# Altium PCB GameBoard_V1I1_Phase1.PcbDoc (part 16 of 18)
Units mm, origin at the board's own origin, x right, y up, seen from the top; angles counter-clockwise.
Board outline 182 x 70.2 mm, 12 copper layers (L1, L2, L3, L4, L5 (PWR), L6 (PWR), L7 (PWR), L8 (PWR), L9, L10, L11, L12), stack 2.079 mm thick; 1542 components, 1068 nets, 5447 pads, 3805 vias.
Unrouted connection lines stored in the file: 2.
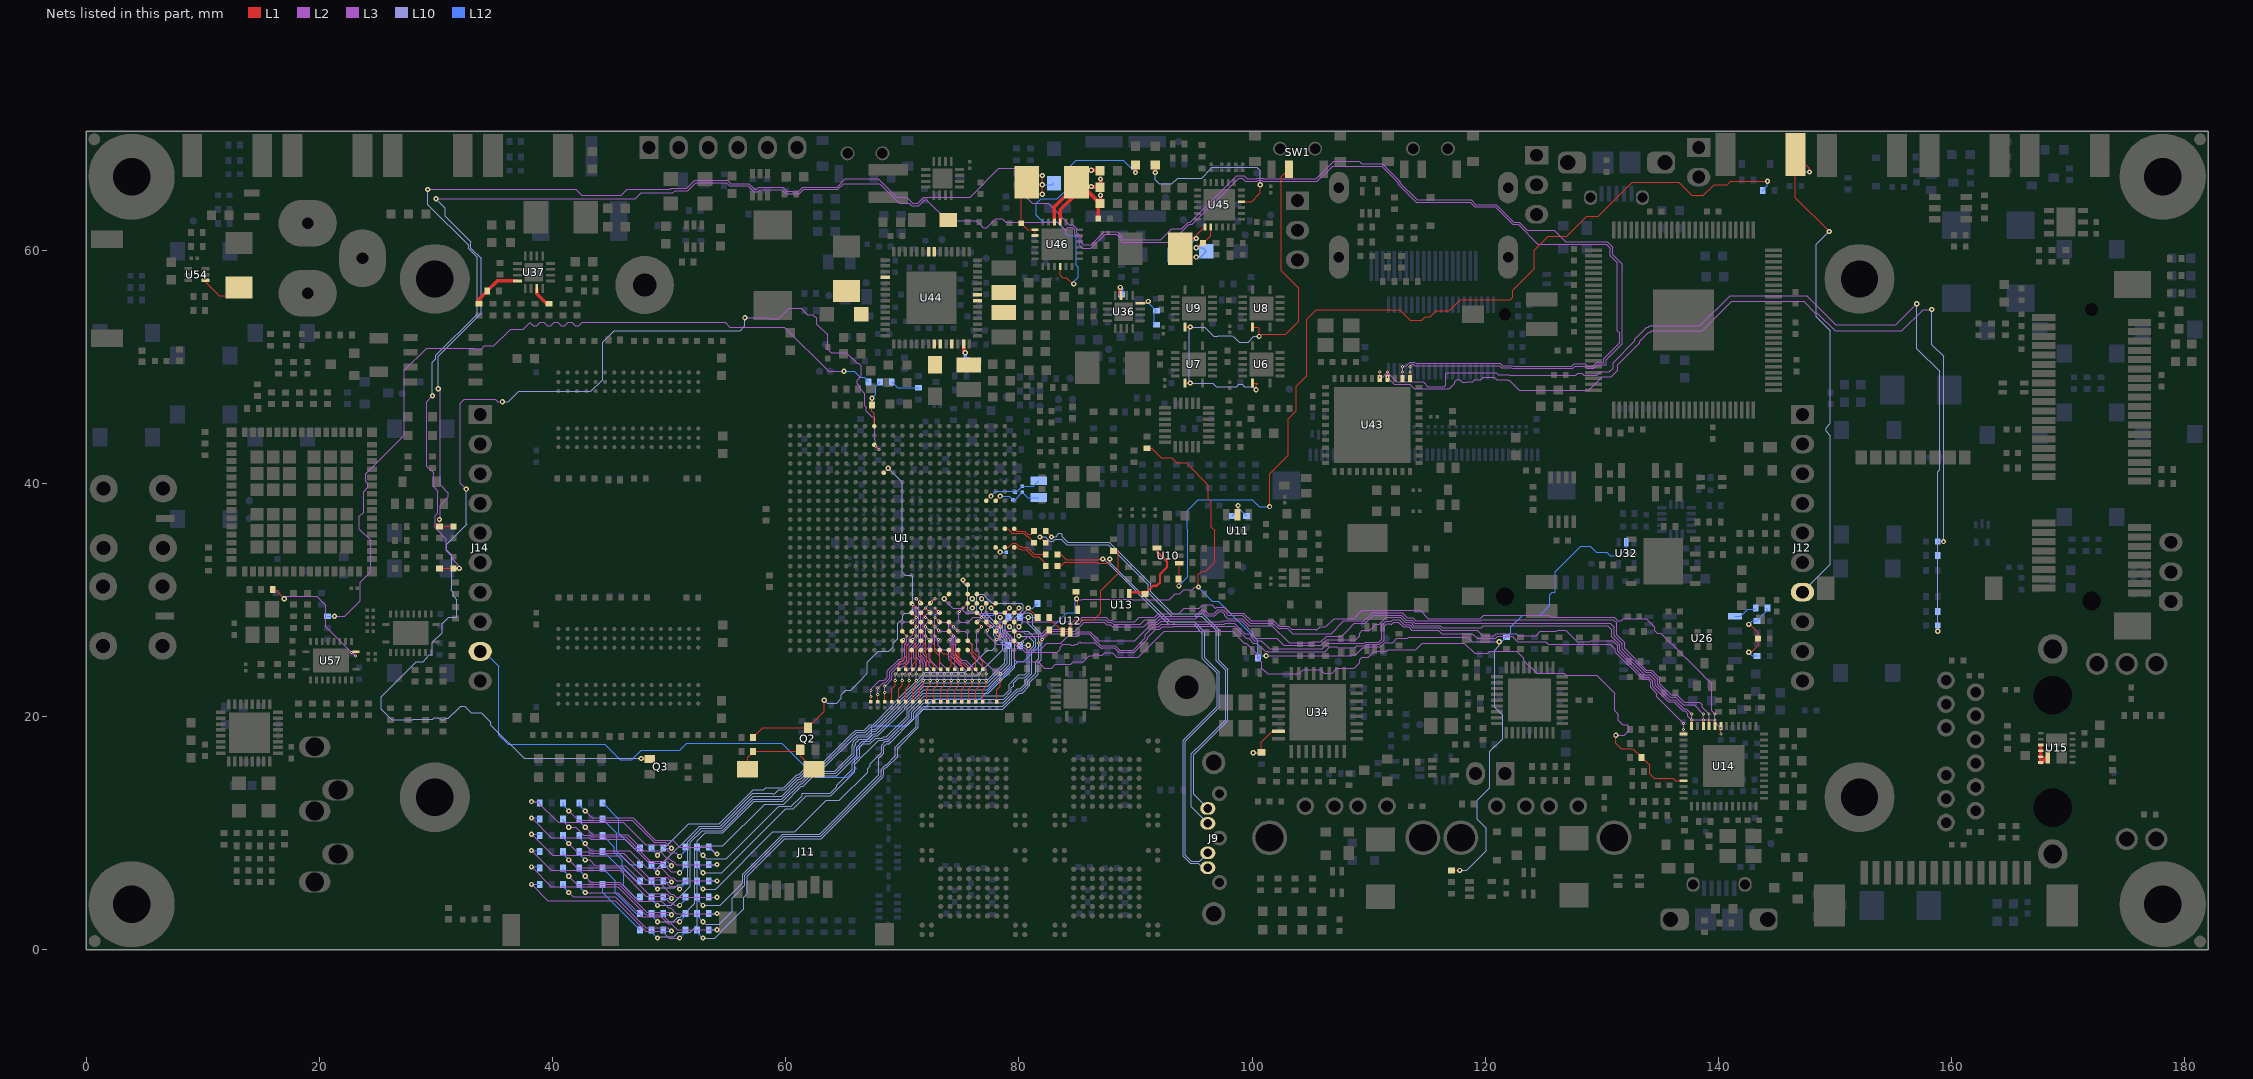
[diagram p26: the nets of this part, all layers, seen from the top]

## Via types
v1: diameter 0.45, hole 0.2, L1 to L12, 1937 vias
v2: diameter 0.45, hole 0.2, L1 to L12, tented both sides, 1004 vias
v3: diameter 0.27, hole 0.1, L1 to L2, 337 vias
v4: diameter 0.27, hole 0.1, L2 to L3, 335 vias
v5: diameter 0.27, hole 0.1, L10 to L11, 96 vias
v6: diameter 0.27, hole 0.1, L11 to L12, 94 vias
v7: diameter 0.27, hole 0.1, L3 to L5 (PWR), 2 vias

## Nets (pads, with @x,y where several pads share a name; then routed paths per layer and width w, separated by ;. In a path a pad name is that pad's centre, name@x,y a point inside that pad or via, vN(x,y) a via of type N, cw(c..) or ccw(c..) an arc to the next point about the centre after c; other vN are vias at no path point) (continued)
RGMII_RXDV: R132.1 U1.D22 U14.33 | length 77.4
  L1 w0.093: U1.D22@77.2,28.1 v3(77.6,27.7)
  L1 w0.1: v1(131.2,18.4) 131.2,17.7 131.65,17.25 132.65,17.25 R132.1@133.4,16.5 134.1,15.8 134.1,15.1 134.5,14.7 136.1,14.7 136.31,14.49 U14.33@137.01,14.49
  L3 w0.1: v4(77.3,27.4) 77.3,27.003 77.585,26.718 77.585,26.712 78.097,26.2 78.948,26.2 79.6,25.548 79.6,24.9 79.825,24.675 81.642,24.675 82.192,24.125 82.825,24.125 82.825,24.155 83.13,24.461 83.13,24.5 84.466,24.5 84.666,24.7 85.504,24.7 86.029,25.225 86.312,25.225 86.362,25.275 86.838,25.275 86.867,25.246 87.15,25.246 87.379,25.475 88.021,25.475 88.396,25.1 90.251,25.1 92.451,27.3 98.32,27.3 99.32,26.3 99.483,26.3 100.475,25.308 100.475,25 100.825,24.65 100.825,24.145 101.045,23.925 101.075,23.925 101.325,23.675 104.02,23.675 104.37,24.025 105.879,24.025 106.179,23.725 106.857,23.725 107.257,24.125 108.755,24.125 109.225,24.595 109.225,24.855 109.445,25.075 109.979,25.075 110.479,25.575 111.53,25.575 111.68,25.725 114.025,25.725 114.6,26.3 118.2,26.3 119.075,25.425 120.208,25.425 120.383,25.6 122.7,25.6 123.3,25 123.3,24.8 124.4,23.7 126.77,23.7 126.945,23.525 129.575,23.525 131.1,22 131.1,20.483 131.4,20.183 131.4,19.67 131.795,19.275 132.195,19.275 132.3,19.17 132.3,18.77 131.93,18.4 v1(131.2,18.4)
  L2 w0.1: v4(77.3,27.4) v3(77.6,27.7)
RGMII_TXCLK: R37.2 U14.24 | length 66.7
  L1 w0.1: v3(81.7,26.3) 82.6,27.2 R37.2@82.6,27.4 ; U14.24@137.7,19.18 v3(137.7,19.7)
  L3 w0.1: v4(82,26.6) 82.5,27.1 84.904,27.1 85.079,27.275 86.121,27.275 86.225,27.171 86.225,27.145 86.445,26.925 86.471,26.925 86.896,26.5 89.934,26.5 91.334,27.9 91.92,27.9 92.206,28.186 93.383,28.186 93.444,28.125 97.455,28.125 97.53,28.2 99.066,28.2 100.109,27.156 100.109,26.874 100.283,26.7 102.13,26.7 102.73,26.1 105.883,26.1 106.383,26.6 108.9,26.6 109.225,26.925 109.225,27.155 109.445,27.375 110.075,27.375 110.5,27.8 110.5,27.921 110.925,27.921 111.504,28.5 112.703,28.5 113.128,28.075 113.604,28.075 113.879,27.8 116.134,27.8 116.334,27.6 119.634,27.6 119.834,27.8 130.5,27.8 130.862,27.438 130.862,26.842 131.545,26.159 131.545,25.69 133.659,23.575 134.121,23.575 134.575,23.121 134.575,22.659 135.79,21.445 136.259,21.445 137.029,20.675 137.238,20.675 137.575,20.338 137.575,20.325 v4(137.7,20.2)
  L2 w0.1: v3(81.7,26.3) v4(82,26.6) ; v3(137.7,19.7) v4(137.7,20.2)
RGMII_TXD0: U1.C22 U14.19 | length 75.3
  L1 w0.093: U1.C22@78,28.1 v3(78.4,27.7)
  L1 w0.1: v3(140.2,18.5) U14.19@140.2,19.18
  L3 w0.1: v4(78.1,27.4) 78.415,27.085 79.101,27.085 79.385,26.801 79.385,26.715 80.155,25.945 80.425,25.945 80.645,25.725 81.825,25.725 82.4,26.3 83.572,26.3 84.172,26.9 84.987,26.9 85.162,27.075 86.012,27.075 86.362,26.725 86.388,26.725 87.038,26.075 88.27,26.075 88.645,25.7 89.8,25.7 90.834,26.734 90.834,27 91.534,27.7 92.003,27.7 92.203,27.9 93.214,27.9 93.3,27.986 93.361,27.925 97.613,27.925 97.688,28 98.469,28 99.384,27.084 99.867,27.084 99.883,27.1 99.909,27.074 99.909,26.791 100.2,26.5 100.8,26.5 101.5,25.8 106,25.8 106.475,26.275 109.626,26.275 109.726,26.375 110.875,26.375 111.125,26.625 111.125,27.838 111.462,28.175 111.938,28.175 111.948,28.165 112.083,28.3 112.62,28.3 113.045,27.875 113.521,27.875 113.796,27.6 116.051,27.6 116.251,27.4 119.3,27.4 119.775,26.925 120.775,26.925 120.95,27.1 122.67,27.1 122.845,26.925 124.355,26.925 124.73,27.3 126.1,27.3 126.2,27.4 126.9,27.4 127.875,26.425 128.955,26.425 129.03,26.5 130.921,26.5 131.345,26.076 131.345,25.607 133.576,23.375 134.038,23.375 134.375,23.038 134.375,22.576 135.707,21.245 136.176,21.245 136.946,20.475 137.155,20.475 137.375,20.255 137.375,20.025 137.7,19.7 139.5,19.7 v4(140.2,19)
  L2 w0.1: v4(78.1,27.4) v3(78.4,27.7) ; v3(140.2,18.5) v4(140.2,19)
RGMII_TXD1: U1.F20 U14.20 | length 76.5
  L1 w0.093: v3(75.2,29.3) U1.F20@75.6,29.7
  L1 w0.1: U14.20@139.7,19.18 v3(139.7,19.7)
  L3 w0.1: v4(74.9,29) 74.825,28.925 74.825,28.275 75.025,28.075 75.675,28.075 76.1,28.5 77.5,28.5 77.875,28.125 78.555,28.125 78.73,28.3 80.213,28.3 80.388,28.125 85.059,28.125 85.434,28.5 87.485,28.5 87.71,28.275 88.021,28.275 88.171,28.125 89.925,28.125 90.3,28.5 91.672,28.5 91.972,28.8 93.696,28.8 94.171,29.275 95.479,29.275 95.779,29.575 96.555,29.575 96.855,29.275 96.879,29.275 96.979,29.375 97.621,29.375 98.121,28.875 99.239,28.875 99.914,28.2 101.866,28.2 102.309,27.756 103.099,27.756 103.38,27.475 105.421,27.475 105.515,27.381 105.833,27.7 106.334,27.7 107.034,28.4 108.7,28.4 109.4,29.1 114.4,29.1 115.1,28.4 119.586,28.4 119.886,28.7 125.434,28.7 125.634,28.5 131.07,28.5 131.345,28.225 131.655,28.225 131.83,28.4 133.8,28.4 134.535,27.665 134.525,27.655 134.525,27.345 134.745,27.125 135.055,27.125 135.065,27.135 136.925,25.275 136.925,25.245 137.145,25.025 137.175,25.025 138.725,23.475 138.725,23.445 138.945,23.225 138.975,23.225 139.4,22.8 139.4,20.5 v4(139.7,20.2)
  L2 w0.1: v4(74.9,29) v3(75.2,29.3) ; v3(139.7,19.7) v4(139.7,20.2)
RGMII_TXD2: U1.E21 U14.21 | length 73.2
  L1 w0.093: U1.E21@76.4,28.9 v3(76.8,28.5)
  L1 w0.1: U14.21@139.2,19.18 v3(139.2,19.7)
  L3 w0.1: v4(76.5,28.2) 76.897,28.2 77.372,27.725 78.375,27.725 78.8,27.3 80.1,27.3 80.125,27.275 80.355,27.275 80.515,27.115 81.949,27.115 82.334,27.5 84.2,27.5 84.6,27.9 85.117,27.9 85.517,28.3 87.403,28.3 87.628,28.075 87.938,28.075 88.113,27.9 90.4,27.9 90.8,28.3 91.754,28.3 92.054,28.6 95.087,28.6 95.662,29.175 95.895,29.175 96.245,28.825 96.712,28.825 97.062,29.175 97.538,29.175 97.875,28.838 97.875,28.738 97.938,28.675 99.156,28.675 99.831,28 101.783,28 102.226,27.556 103.016,27.556 103.474,27.099 106.768,27.099 107.87,28.2 109.634,28.2 110.334,28.9 112.868,28.9 113.293,28.475 113.77,28.475 114.045,28.2 119.669,28.2 119.769,28.3 130.987,28.3 131.262,28.025 131.262,27.008 131.945,26.325 131.945,25.855 133.825,23.975 134.287,23.975 134.975,23.287 134.975,22.825 135.955,21.845 136.425,21.845 137.07,21.2 138.4,21.2 138.6,21 138.6,20.8 v4(139.2,20.2)
  L2 w0.1: v4(76.5,28.2) v3(76.8,28.5) ; v3(139.2,19.7) v4(139.2,20.2)
RGMII_TXD3: U1.A24 U14.22 | length 68.7
  L1 w0.093: U1.A24@79.6,26.5 v3(80,26.1)
  L1 w0.1: U14.22@138.7,19.18 v3(138.7,19.7)
  L3 w0.1: v4(80.3,26.4) 80.8,26.9 82.017,26.9 82.417,27.3 84.8,27.3 85.6,28.1 87.32,28.1 87.545,27.875 87.855,27.875 88.03,27.7 90.7,27.7 91.1,28.1 91.837,28.1 92.137,28.4 95.17,28.4 95.745,28.975 95.812,28.975 96.162,28.625 96.795,28.625 97.145,28.975 97.455,28.975 97.675,28.755 97.675,28.655 97.93,28.4 99.149,28.4 99.749,27.8 101.7,27.8 103.175,26.325 105.255,26.325 105.33,26.4 105.9,26.4 106.399,26.899 107.699,26.899 108.225,27.425 108.225,27.455 108.77,28 109.717,28 110.417,28.7 112.785,28.7 113.21,28.275 113.687,28.275 113.962,28 130.7,28 131.062,27.638 131.062,26.925 131.745,26.242 131.745,25.772 133.742,23.775 134.204,23.775 134.775,23.204 134.775,22.742 135.872,21.645 136.342,21.645 136.987,21 137.9,21 v4(138.7,20.2)
  L2 w0.1: v3(80,26.1) v4(80.3,26.4) ; v3(138.7,19.7) v4(138.7,20.2)
RGMII_TXEN: U1.C23 U14.25 | length 70.6
  L1 w0.093: U1.C23@78,27.3 v3(78.4,26.9)
  L1 w0.1: U14.25@137.01,18.49 v3(137.01,18.89)
  L3 w0.1: v4(78.1,26.6) 78.3,26.6 78.585,26.885 79.018,26.885 79.185,26.718 79.185,26.632 79.6,26.217 79.717,26.1 80.073,25.745 80.342,25.745 80.562,25.525 83.295,25.525 83.525,25.755 83.525,25.955 83.745,26.175 84.395,26.175 84.445,26.125 84.755,26.125 84.805,26.175 84.995,26.175 85.225,26.405 85.305,26.325 85.755,26.325 85.761,26.33 86.5,26.33 86.955,25.875 87.087,25.875 87.15,25.812 87.213,25.875 88.187,25.875 88.562,25.5 89.883,25.5 91.034,26.651 91.034,26.8 91.734,27.5 92.086,27.5 92.286,27.7 93.297,27.7 93.322,27.725 98.461,27.725 99.486,26.7 99.717,26.7 100.117,26.3 100.4,26.3 101.125,25.575 101.355,25.575 101.361,25.569 106.269,25.569 106.675,25.975 107.255,25.975 107.315,25.915 108.815,25.915 108.975,26.075 109.709,26.075 109.809,26.175 110.958,26.175 111.325,26.542 111.325,27.755 111.545,27.975 111.855,27.975 111.948,27.882 112.166,28.1 112.537,28.1 112.962,27.675 113.438,27.675 113.713,27.4 115.968,27.4 116.268,27.1 118.9,27.1 119.3,26.7 120.883,26.7 121.083,26.9 122.3,26.9 122.8,26.4 125.2,26.4 125.4,26.2 130.7,26.2 131.145,25.755 131.145,25.524 133.494,23.175 133.955,23.175 134.175,22.955 134.175,22.494 134.7,21.969 134.7,21.7 v4(137.01,19.39)
  L2 w0.1: v4(78.1,26.6) v3(78.4,26.9) ; v3(137.01,18.89) v4(137.01,19.39)
RST_BTN_HDR: J12.7 R425.1 R426.1 R427.2 SW23.2 | length 46.3
  L1 w0.1: v1(147.8,66.7) 147.8,67 SW23.2@146.6,68.2 146.6,64.5 v1(149.5,61.6)
  L10 w0.1: J12.7@147.2,30.66 149.6,33.06 149.6,44.07 149.225,44.445 149.225,44.755 149.6,45.13 149.6,53.1 148.4,54.3 148.4,60.5 v1(149.5,61.6)
  L12 w0.1: R425.1@147.1,69.3 R427.2@147.1,66.7 v1(147.8,66.7)
RSTINn: R88.1 R429.2 U10.1 | length 82.3
  L1 w0.1: v1(93.722,31.2) 93.7,31.222 R88.1@93.7,31.8 93.75,31.85 U10.1@93.75,33.15 ; v1(101.5,38) 101.5,40.8 103.1,42.4 103.1,45.53 103.8,46.23 103.8,48.33 104.679,49.21 104.679,54.079 105.5,54.9 111.87,54.9 111.945,54.825 112.255,54.825 112.33,54.9 112.67,54.9 113.57,54 114.57,54 114.845,54.275 115.275,54.275 115.8,54.8 116.925,54.8 117.85,55.725 122.155,55.725 122.375,55.945 122.375,56.575 124.2,58.4 124.2,60 125.4,61.2 127,61.2 128.7,62.9 129.7,62.9 132.6,65.8 136.6,65.8 137.7,64.7 138.7,64.7 139.625,65.625 140.755,65.625 141.03,65.9 v1(144.2,65.9)
  L12 w0.1: v1(93.722,31.2) 94.5,31.978 94.5,35.987 94.425,36.062 94.425,37.625 95.4,38.6 100.032,38.6 100.632,38 v1(101.5,38) ; R429.2@143.8,65.1 144.2,65.5 v1(144.2,65.9)
RSTINn_BUFF: R89.1 U10.4 U13.1 | length 6.6
  L1 w0.2: U13.1@89.45,30.65 R89.1@90.85,30.65 ; R89.1@90.8,30.7 R89.1@90.85,30.65 ; U10.4@91.85,34.45 91.85,34.15 92.7,33.3 92.7,32.8 92.1,32.2 92.1,31.5 91.825,31.225 91.525,31.225 90.95,30.65 R89.1@90.85,30.65
RSTOUTn: J14.9 R101.2 R189.2 R268.1 R271.2 R322.2 U12.4 U32.2 | length 168.9
  L1 w0.1: R101.2@84.9,30.7 85.05,30.55 U12.4@85.05,29.15 ; R268.1@91,43 91.4,43 92.2,42.2 93.1,42.2 93.538,41.762 94.338,41.762 96.25,39.85 96.25,38.625 96.5,38.375 96.5,36.23 96.775,35.955 96.775,33.225 96.022,32.472 95.672,32.472 95.4,32.2 v1(95.4,31.1) ; R322.2@117.1,6.8 v1(117.8,6.8)
  L3 w0.1: v1(84.95,30.1) 85.05,30 85.404,30 85.479,30.075 89.669,30.075 89.712,30.032 92.915,30.032 93.4,30.517 93.787,30.517 94.145,30.875 94.875,30.875 95.1,31.1 v1(95.4,31.1) ; v1(101.2,25.2) 108.487,25.2 108.562,25.275 108.9,25.275 109.5,25.875 109.792,25.875 109.892,25.975 111.047,25.975 111.397,26.325 112.055,26.325 112.275,26.545 112.275,26.595 112.405,26.725 113.355,26.725 113.43,26.8 118.5,26.8 118.9,26.4 v1(121.2,26.4)
  L10 w0.1: v1(117.8,6.8) 118.4,6.8 120.1,8.5 120.1,10.4 119.3,11.2 119.3,12.8 120.4,13.9 120.4,17 121.5,18.1 121.5,20.1 120.8,20.8 120.8,25.7 121.2,26.1 v1(121.2,26.4)
  L12 w0.1: J14.9@33.8,25.58 34.12,25.58 35.4,24.3 35.4,18.4 36.2,17.6 44.5,17.6 45.8,16.3 46.8,16.3 47.6,17.1 50.9,17.1 51.5,17.7 59.649,17.7 62.567,14.782 65.282,14.782 66.052,15.552 65.925,15.679 65.925,16.321 66.125,16.521 66.125,17.125 66.325,17.325 66.325,17.355 67.4,18.43 67.4,19.2 70.4,19.2 72.7,21.5 76.7,21.5 79.9,24.7 79.875,24.725 80.425,24.725 82,26.3 82,26.807 84.093,28.9 84.83,28.9 84.83,29.98 v1(84.95,30.1) ; v1(95.4,31.1) 96.6,29.9 97.083,29.9 100.5,26.483 R271.2@100.5,25 100.7,25.2 v1(101.2,25.2) ; v1(121.2,26.4) 121.4,26.4 R189.2@121.8,26.8 122.188,27.188 122.188,27.687 123.2,28.7 124.7,28.7 125.525,29.525 125.525,30.455 125.745,30.675 125.975,30.675 126,30.7 126,32.4 128.2,34.6 129,34.6 129.525,34.075 130.425,34.075 130.7,33.8 131.5,33.8 132.1,34.4 U32.2@132.1,34.95 U32.2@132.1,35.2
RSTOUTn_BUFF: R96.2 R98.2 U12.1 U12.2 | length 12
  L1 w0.1: R98.2@82.6,28.5 82.6,28.4 U12.1@83.75,27.25 U12.2@84.4,27.25 84.4,27.925 84.775,28.3 86.4,28.3 87,28.9 87,30.8 88.5,32.3 88.5,34.1 88.4,34.2
RSTOUTn_R: R92.1 R98.1 U1.H19 | length 10.6
  L1 w0.093: v2(73.6,30.1) U1.H19@74,30.5
  L1 w0.1: v2(80.8,29.3) R98.1@81.6,28.5
  L3 w0.1: v2(73.6,30.1) 73.6,30.017 74.332,29.285 75.018,29.285 75.428,28.875 80.388,28.875 80.8,29.287 v2(80.8,29.3)
  L12 w0.1: v2(80.8,29.3) 81.2,29.3 R92.1@81.6,29.7
RTC_XTALI: C94.1 R78.1 U1.D9 Y2.1 | length 5.3
  L1 w0.1: U1.D9@77.2,38.5 v1(77.6,38.9)
  L12 w0.1: v1(77.6,38.9) 78,39.3 79.635,39.3 C94.1@79.7,39.235 79.77,39.235 R78.1@80.3,39.765 81.24,39.765 Y2.1@81.7,40.225
RTC_XTALO: C95.1 R78.2 U1.C9 Y2.2 | length 4.4
  L1 w0.1: U1.C9@78,38.5 v1(78.4,38.9)
  L12 w0.1: v1(78.4,38.9) 79.165,38.9 C95.1@79.465,38.6 79.665,38.6 R78.2@80.3,39.235 80.76,38.775 Y2.2@81.7,38.775
SATA_C_RX_N: C88.1 U1.A14 | length 3.5
  L1 w0.1: U1.A14@79.6,34.5 79.812,34.5 79.927,34.385 80.118,34.385 80.203,34.3 80.617,34.3 81.217,33.7 81.7,33.7 82.25,33.15 82.25,32.95 C88.1@82.3,32.9
SATA_C_RX_P: C89.1 U1.B14 | length 4
  L1 w0.1: U1.B14@78.8,34.5 79.105,34.5 79.455,34.85 79.745,34.85 80.01,34.585 80.201,34.585 80.286,34.5 80.7,34.5 81.3,33.9 C89.1@82.3,33.9
SATA_C_TX_N: C90.1 U1.B12 | length 3
  L1 w0.1: U1.B12@78.8,36.1 79.05,36.1 79.45,35.7 80.4,35.7 80.659,35.441 80.759,35.441 C90.1@81.3,34.9
SATA_C_TX_P: C91.1 U1.A12 | length 2
  L1 w0.1: U1.A12@79.6,36.1 79.8,35.9 80.483,35.9 80.741,35.641 81.041,35.641 C91.1@81.3,35.9
SATA_REXT: R41.2 U1.C14 | length 1.1
  L1 w0.093: U1.C14@78,34.5 v2(78.4,34.1)
  L12 w0.093: v2(78.4,34.1) R41.2@78.935,34.1
SATA_RX_N: C88.2 J9.5 | length 39
  L1 w0.1: C88.2@83.3,32.9 83.6,32.9 83.959,33.259 83.976,33.241 86.659,33.241 86.775,33.125 87.725,33.125 v2@87.9,33.3
  L10 w0.1: v2(87.8,33.5) 87.8,33.249 92.924,28.124 94.476,28.124 95.059,28.124 95.941,27.241 95.941,25.041 97.2,23.783 97.2,20.8 94.275,17.875 94.275,8.108 94.783,7.6 95.5,7.6 J9.5@96.2,8.3
SATA_RX_P: C89.2 J9.6 | length 38.9
  L1 w0.1: C89.2@83.3,33.9 83.6,33.9 84.059,33.441 86.741,33.441 86.8,33.5 v2(87.2,33.5)
  L10 w0.1: v2(87.2,33.5) 87.425,33.5 87.425,33.345 87.6,33.17 87.6,33.166 92.841,27.924 94.976,27.924 95.741,27.159 95.741,24.959 97,23.7 97,20.883 94.075,17.958 94.075,8.025 94.7,7.4 95.4,7.4 95.9,6.9 J9.6@95.9,6.57
SATA_TX_N: C90.2 J9.3 | length 38.4
  L1 w0.1: v2(81.8,35.4) C90.2@82.3,34.9
  L10 w0.1: v2(81.8,35.4) 82.27,35.4 82.645,35.025 82.955,35.025 83.13,35.2 83.617,35.2 84.092,34.725 87.675,34.725 91.1,31.3 91.1,30.617 93.117,28.6 95.7,28.6 96.925,27.375 96.925,24.762 97.462,24.225 97.475,24.225 97.725,23.975 97.725,19.733 95.792,17.8 94.8,16.808 94.8,12.24 J9.3@96.2,10.84
SATA_TX_P: C91.2 J9.2 | length 36.5
  L1 w0.1: C91.2@82.3,35.9 v2(82.8,35.4)
  L10 w0.1: v2(82.8,35.4) 83.2,35.4 83.3,35.5 83.3,35.6 83.4,35.7 83.6,35.7 83.7,35.6 83.7,35.4 84.175,34.925 87.758,34.925 91.3,31.383 91.3,30.7 93.2,28.8 95.783,28.8 97.125,27.458 97.125,24.845 97.597,24.373 97.61,24.373 97.925,24.058 97.925,19.65 95,16.725 95,13.31 J9.2@96.2,12.11
SD1_CLK: R601.2 R602.2 U1.D20 | length 43.6
  L1 w0.093: v2(76.8,29.3) U1.D20@77.2,29.7
  L10 w0.093: v1(49,6.6) 49,6.975 52.632,10.607 54.38,10.607 57.173,13.4 58.81,13.4 58.839,13.371 59.071,13.371 59.397,13.697 59.9,13.697 61.01,14.807 61.18,14.807 62.28,15.907 63.326,15.907 65.85,18.431 65.881,18.431 66.081,18.631 66.823,18.631 67.299,19.107 67.58,19.107 69.435,20.962 69.435,21.01 71.925,23.5 76.4,23.5 78.628,25.728 78.628,26.445 78.05,27.023 78.05,27.623 76.8,28.873 v2(76.8,29.3)
  L12 w0.093: R601.2@48.5,7.3 48.5,7.1 v1(49,6.6)
SD1_CLK_BOOT: R601.1 R618.1 | length 5.7
  L12 w0.1: R618.1@44.3,11.2 45.5,10 45.5,8.459 46.659,7.3 R601.1@47.5,7.3
SD1_CLK_WIFI: R572.1 R602.1 | length 11.8
  L3 w0.093: v1(41.4,10.5) 42,10.5 42.7,9.8 43.227,9.8 43.356,9.672 46.284,9.672 48.363,7.593 49.807,7.593 v1(50.2,7.2)
  L12 w0.093: R572.1@40.9,11.2 40.9,11 v1(41.4,10.5)
  L12 w0.1: R602.1@49.5,7.2 v1(50.2,7.2)
SD1_CMD: R599.2 R600.2 U1.B21 | length 49.7
  L1 w0.093: U1.B21@78.8,28.9 v2(79.2,29.3)
  L10 w0.093: v1(49,2.4) 50.375,2.4 50.746,2.772 50.972,2.772 52.203,4.003 52.203,8.581 52.4,8.778 52.4,9.327 53.101,10.028 54.62,10.028 57.306,12.714 59.758,12.714 61.272,14.228 61.42,14.228 62.317,15.125 64.296,15.125 65.882,16.711 65.882,17.464 65.993,17.574 65.993,17.755 66.09,17.852 66.121,17.852 66.321,18.052 67.063,18.052 67.539,18.528 67.82,18.528 70.014,20.722 70.014,20.77 71.844,22.6 77.322,22.6 79.207,24.485 79.207,26.685 78.629,27.263 78.629,27.863 78.6,27.892 78.6,28.003 78.9,28.303 78.9,29 v2(79.2,29.3)
  L12 w0.093: R599.2@48.5,3.1 48.5,2.9 v1(49,2.4)
SD1_CMD_BOOT: R599.1 R616.1 | length 5.4
  L12 w0.1: R616.1@44.3,7 45.4,5.9 45.4,4.9 47.2,3.1 R599.1@47.5,3.1
SD1_CMD_WIFI: R570.1 R600.1 | length 11.8
  L3 w0.093: v1(41.4,6.3) 42.093,5.607 45.674,5.607 48.081,3.2 50,3.2 v1(50.2,3)
  L12 w0.093: R570.1@40.9,7 40.9,6.8 v1(41.4,6.3)
  L12 w0.1: R600.1@49.5,3 v1(50.2,3)
SD1_DATA0: R591.2 R592.2 U1.A21 | length 51.4
  L1 w0.1: U1.A21@79.6,28.9 v2(80,29.3)
  L10 w0.1: v1(49,1) 49.1,1.1 50.4,1.1 50.8,1.5 51.8,1.5 52.4,2.1 52.4,8.5 52.8,8.9 54.6,8.9 58.189,12.489 59.812,12.489 61.354,14.032 61.501,14.032 62.398,14.928 64.377,14.928 66.079,16.63 66.079,17.382 66.553,17.856 67.144,17.856 67.62,18.332 67.901,18.332 70.211,20.641 70.211,20.688 71.822,22.3 77.3,22.3 79.404,24.404 79.404,26.766 78.825,27.345 78.825,27.855 78.87,27.9 78.835,27.935 79.5,28.6 79.5,28.8 v2(80,29.3)
  L12 w0.093: R591.2@48.5,1.7 48.5,1.5 v1(49,1)
SD1_DATA0_BOOT: R221.1 R591.1 | length 5.2
  L12 w0.1: R221.1@44.3,5.6 44.3,4.9 R591.1@47.5,1.7
SD1_DATA0_WIFI: R562.1 R592.1 | length 11.8
  L3 w0.093: v1(41.4,4.9) 41.772,4.528 45.371,4.528 48,1.9 49.9,1.9 v1(50.2,1.6)
  L12 w0.093: R562.1@40.9,5.6 40.9,5.4 v1(41.4,4.9)
  L12 w0.1: R592.1@49.5,1.6 v1(50.2,1.6)
SD1_DATA1: R593.2 R594.2 U1.C20 | length 48.2
  L1 w0.093: v2(77.6,29.3) U1.C20@78,29.7
  L10 w0.093: v1(49,3.8) 50.2,3.8 51.825,5.425 51.825,9.2 52.846,10.221 54.54,10.221 57.226,12.907 59.656,12.907 61.17,14.421 61.34,14.421 62.237,15.318 64.216,15.318 65.689,16.791 65.689,17.544 65.8,17.654 65.8,17.835 66.01,18.045 66.041,18.045 66.241,18.245 66.983,18.245 67.459,18.721 67.74,18.721 69.821,20.802 69.821,20.85 71.871,22.9 77.349,22.9 79.014,24.565 79.014,26.605 78.436,27.183 78.436,27.783 78.193,28.026 78.193,28.08 78,28.273 78,28.9 v2(77.6,29.3)
  L12 w0.093: R593.2@48.5,4.5 48.5,4.3 v1(49,3.8)
SD1_DATA1_BOOT: R230.1 R593.1 | length 5.5
  L12 w0.1: R230.1@44.3,8.4 44.4,8.4 46.1,6.7 46.1,5.5 47.1,4.5 R593.1@47.5,4.5
SD1_DATA1_WIFI: R564.1 R594.1 | length 11.8
  L3 w0.093: v1(41.4,7.7) 42.093,7.007 45.993,7.007 48.2,4.8 49.8,4.8 v1(50.2,4.4)
  L12 w0.093: R564.1@40.9,8.4 40.9,8.2 v1(41.4,7.7)
  L12 w0.1: R594.1@49.5,4.4 v1(50.2,4.4)
SD1_DATA2: R595.2 R596.2 U1.E19 | length 47.5
  L1 w0.093: U1.E19@76.4,30.5 v2(76.8,30.1)
  L10 w0.093: v1(49,5.2) 49.1,5.3 50.475,5.3 50.746,5.572 51.072,5.572 51.6,6.1 51.6,9.248 52.766,10.414 54.46,10.414 57.223,13.178 59.654,13.178 61.09,14.614 61.26,14.614 62.36,15.714 63.406,15.714 65.93,18.238 65.961,18.238 66.161,18.438 66.903,18.438 67.379,18.914 67.66,18.914 69.628,20.882 69.628,20.93 71.898,23.2 77.376,23.2 78.8,24.624 78.8,24.899 78.821,24.899 78.821,26.525 78.243,27.103 78.243,27.703 78,27.946 78,28 77.2,28.8 77.2,29.7 v2(76.8,30.1)
  L12 w0.093: R595.2@48.5,5.9 48.5,5.7 v1(49,5.2)
SD1_DATA2_BOOT: R560.1 R595.1 | length 5.4
  L12 w0.1: R560.1@44.3,9.8 45.3,8.8 45.3,8.376 46,7.676 46,7.1 47.2,5.9 R595.1@47.5,5.9
SD1_DATA2_WIFI: R566.1 R596.1 | length 11.8
  L3 w0.093: v1(41.4,9.1) 42.093,8.407 43.12,8.407 43.256,8.271 46.129,8.271 48.207,6.193 49.807,6.193 v1(50.2,5.8)
  L12 w0.093: R566.1@40.9,9.8 40.9,9.6 v1(41.4,9.1)
  L12 w0.1: R596.1@49.5,5.8 v1(50.2,5.8)
SD1_DATA3: R597.2 R598.2 U1.F18 | length 45.1
  L1 w0.093: v2(75.2,31.7) U1.F18@75.6,31.3
  L10 w0.093: v1(49,8.1) 51.7,10.8 54.3,10.8 57.2,13.7 58.1,13.7 58.29,13.89 59.82,13.89 60.93,15 61.1,15 62.2,16.1 63.246,16.1 65.77,18.624 65.802,18.624 66.002,18.824 66.743,18.824 67.219,19.3 67.5,19.3 69.242,21.042 69.242,21.09 71.952,23.8 75.4,23.8 77.272,25.672 77.697,25.672 77.972,25.946 77.972,26.829 77.857,26.944 77.857,27.543 76.471,28.929 75.846,28.929 75.629,29.146 75.629,29.166 75.607,29.166 75.6,29.173 75.6,31.1 75.2,31.5 v2(75.2,31.7)
  L12 w0.093: R597.2@48.5,8.8 R597.2@48.5,8.7 48.5,8.6 v1(49,8.1)
SD1_DATA3_BOOT: R580.1 R597.1 | length 5.5
  L12 w0.1: R580.1@44.3,12.6 45.7,11.2 45.7,10 47,8.7 R597.1@47.5,8.7
SD1_DATA3_WIFI: R568.1 R598.1 | length 11.7
  L3 w0.093: v1(41.4,11.9) 42.193,11.107 46.833,11.107 48.726,9.214 49.686,9.214 v1(50.2,8.7)
  L12 w0.093: R568.1@40.9,12.6 40.9,12.4 v1(41.4,11.9)
  L12 w0.1: R598.1@49.5,8.7 v1(50.2,8.7)
SD2_ACT: Q3.1 U1.T3 | length 109.4
  L1 w0.093: U1.T3@67.6,43.3 v3(68,42.9)
  L1 w0.1: v1(47.6,16.4) 47.65,16.35 Q3.1@48.35,16.35
  L3 w0.1: v1(32.6,39.5) 32.1,40 32.1,46.883 32.417,47.2 35.1,47.2 35.3,47 v1(35.7,47) ; v1(56.5,54.2) 58.5,54.2 58.6,54.1 59.4,54.1 60.3,55 61.33,55 61.855,54.475 62.338,54.475 62.675,54.138 62.675,53.655 63.6,52.73 63.6,51.517 63.917,51.2 65.2,51.2 66.125,50.275 66.255,50.275 66.475,50.055 66.475,49.205 66.125,48.855 66.125,48.545 66.3,48.37 66.3,48.2 66.8,47.7 66.8,46.633 66.9,46.533 66.9,46.2 67.4,45.7 67.615,45.7 67.615,43.716 67.7,43.631 v4(67.7,43.2)
  L10 w0.1: v1(32.6,39.5) 32.6,36.528 32.65,36.478 30.925,34.753 30.925,34.262 31.34,33.847 31.34,30.987 31.3,30.947 31.3,30.83 31.475,30.655 31.475,30.345 31.8,30.02 31.8,28.53 31.1,28.53 30.525,27.955 30.525,27.2 29.7,26.375 29.7,25.275 29.445,25.275 29.225,25.055 29.225,25.025 28.913,24.713 28.313,24.713 25.3,21.7 25.3,20.6 26.2,19.7 27.997,19.7 28.065,19.768 29.717,19.768 29.839,19.889 30.211,19.889 30.4,19.7 30.724,19.7 30.885,19.861 31.075,19.861 31.514,20.3 31.57,20.3 32.145,20.875 32.455,20.875 33.03,20.3 33.9,20.3 34.703,19.497 34.703,19.259 37.562,16.4 v1(47.6,16.4) ; v1(35.7,47) 36.2,47 37.1,47.9 43.3,47.9 44.3,48.9 44.3,52.1 45.3,53.1 56.1,53.1 56.5,53.5 v1(56.5,54.2)